# Altium PCB MAIN.PcbDoc (part 1 of 2)
Units mm, origin at the board's own origin, x right, y up, seen from the top; angles counter-clockwise.
Board outline 105.03 x 110.62 mm, 2 copper layers (Top Layer, Bottom Layer); 134 components, 144 nets, 618 pads, 962 vias.
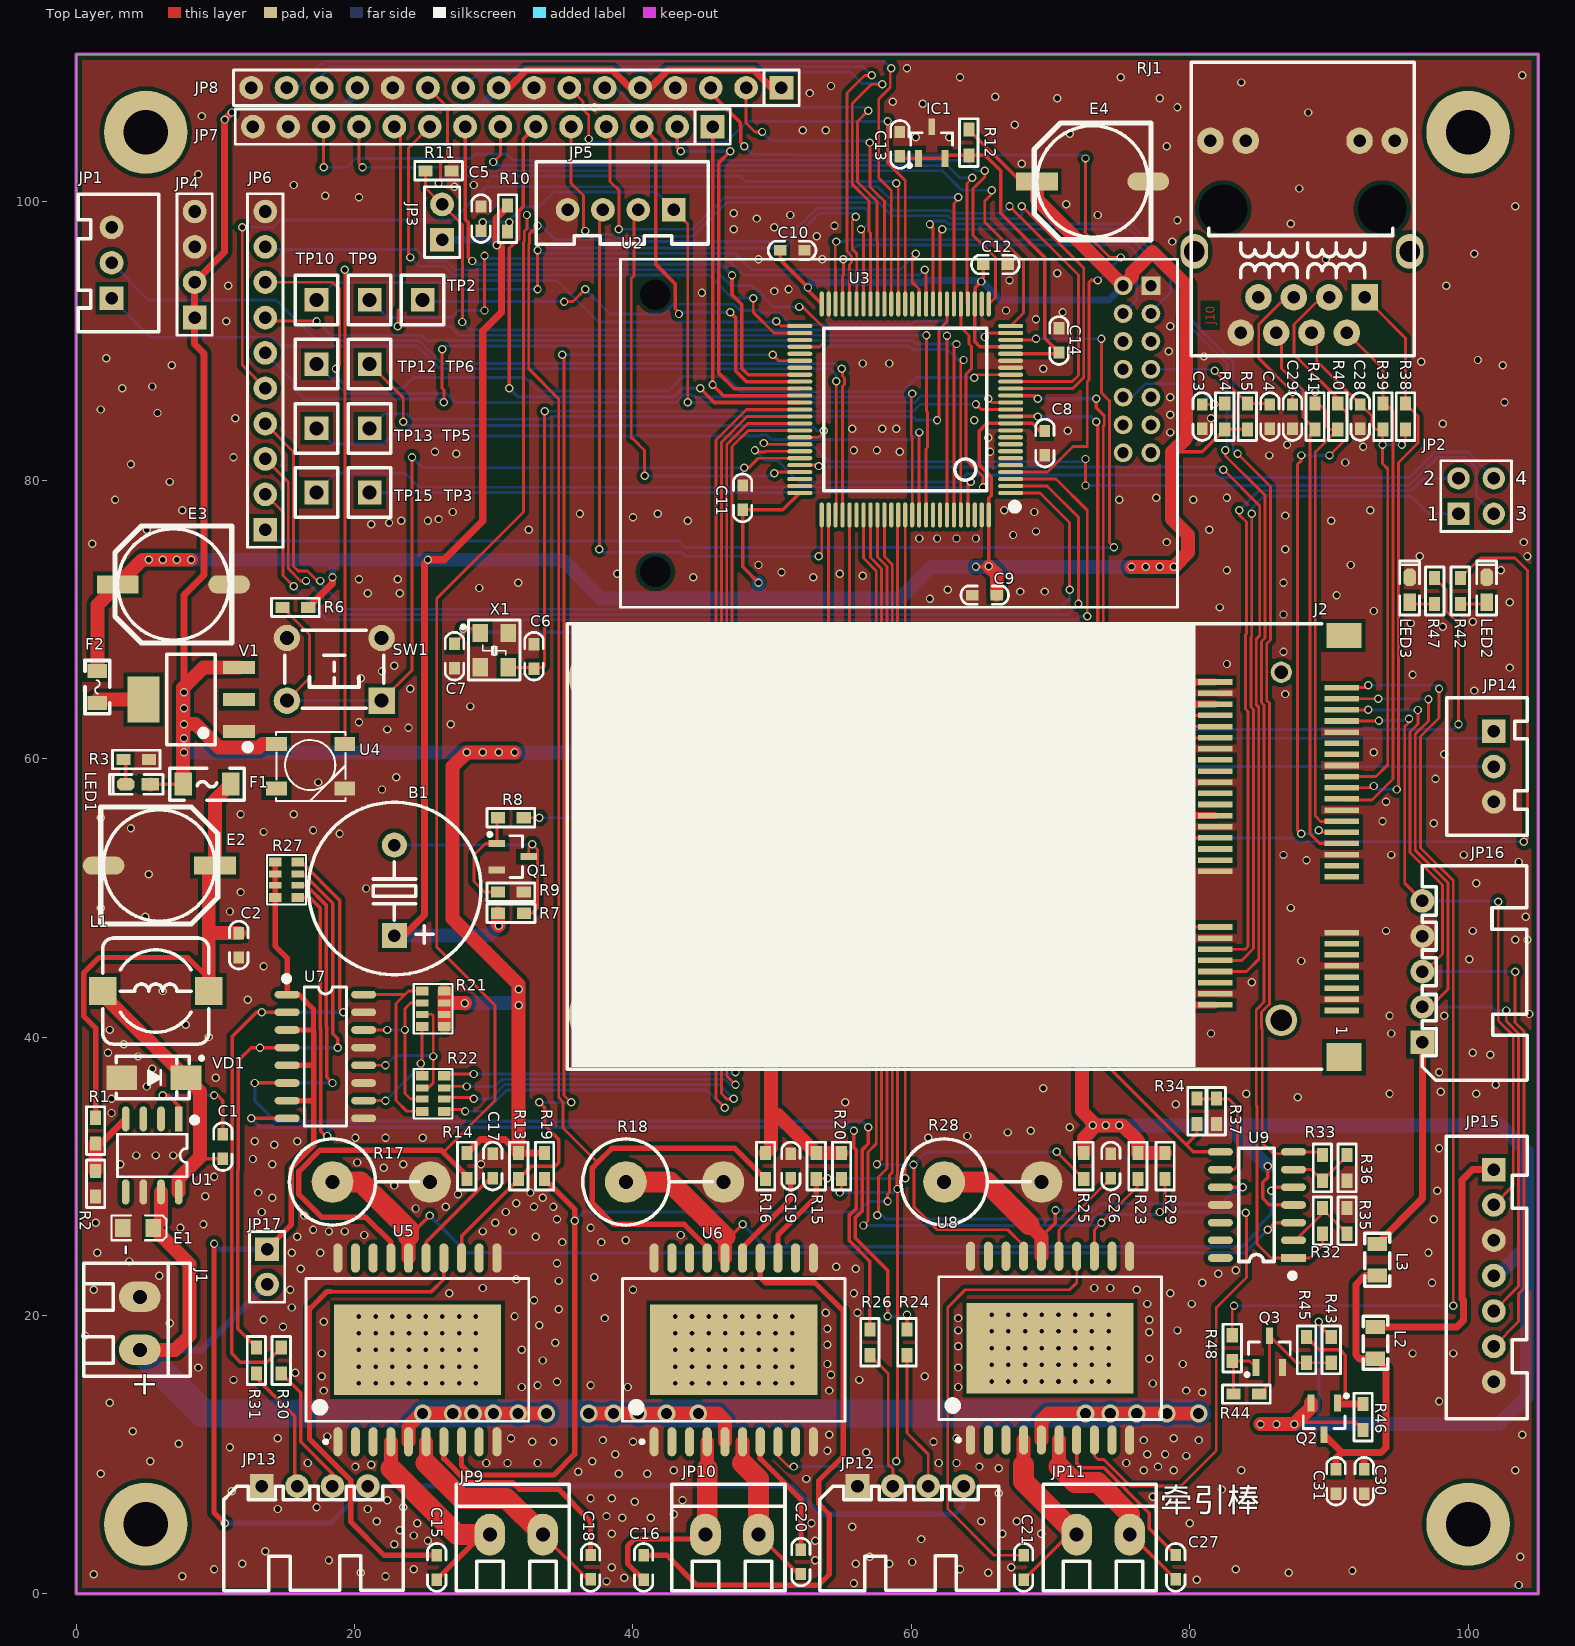
[diagram p0: Top Layer view]
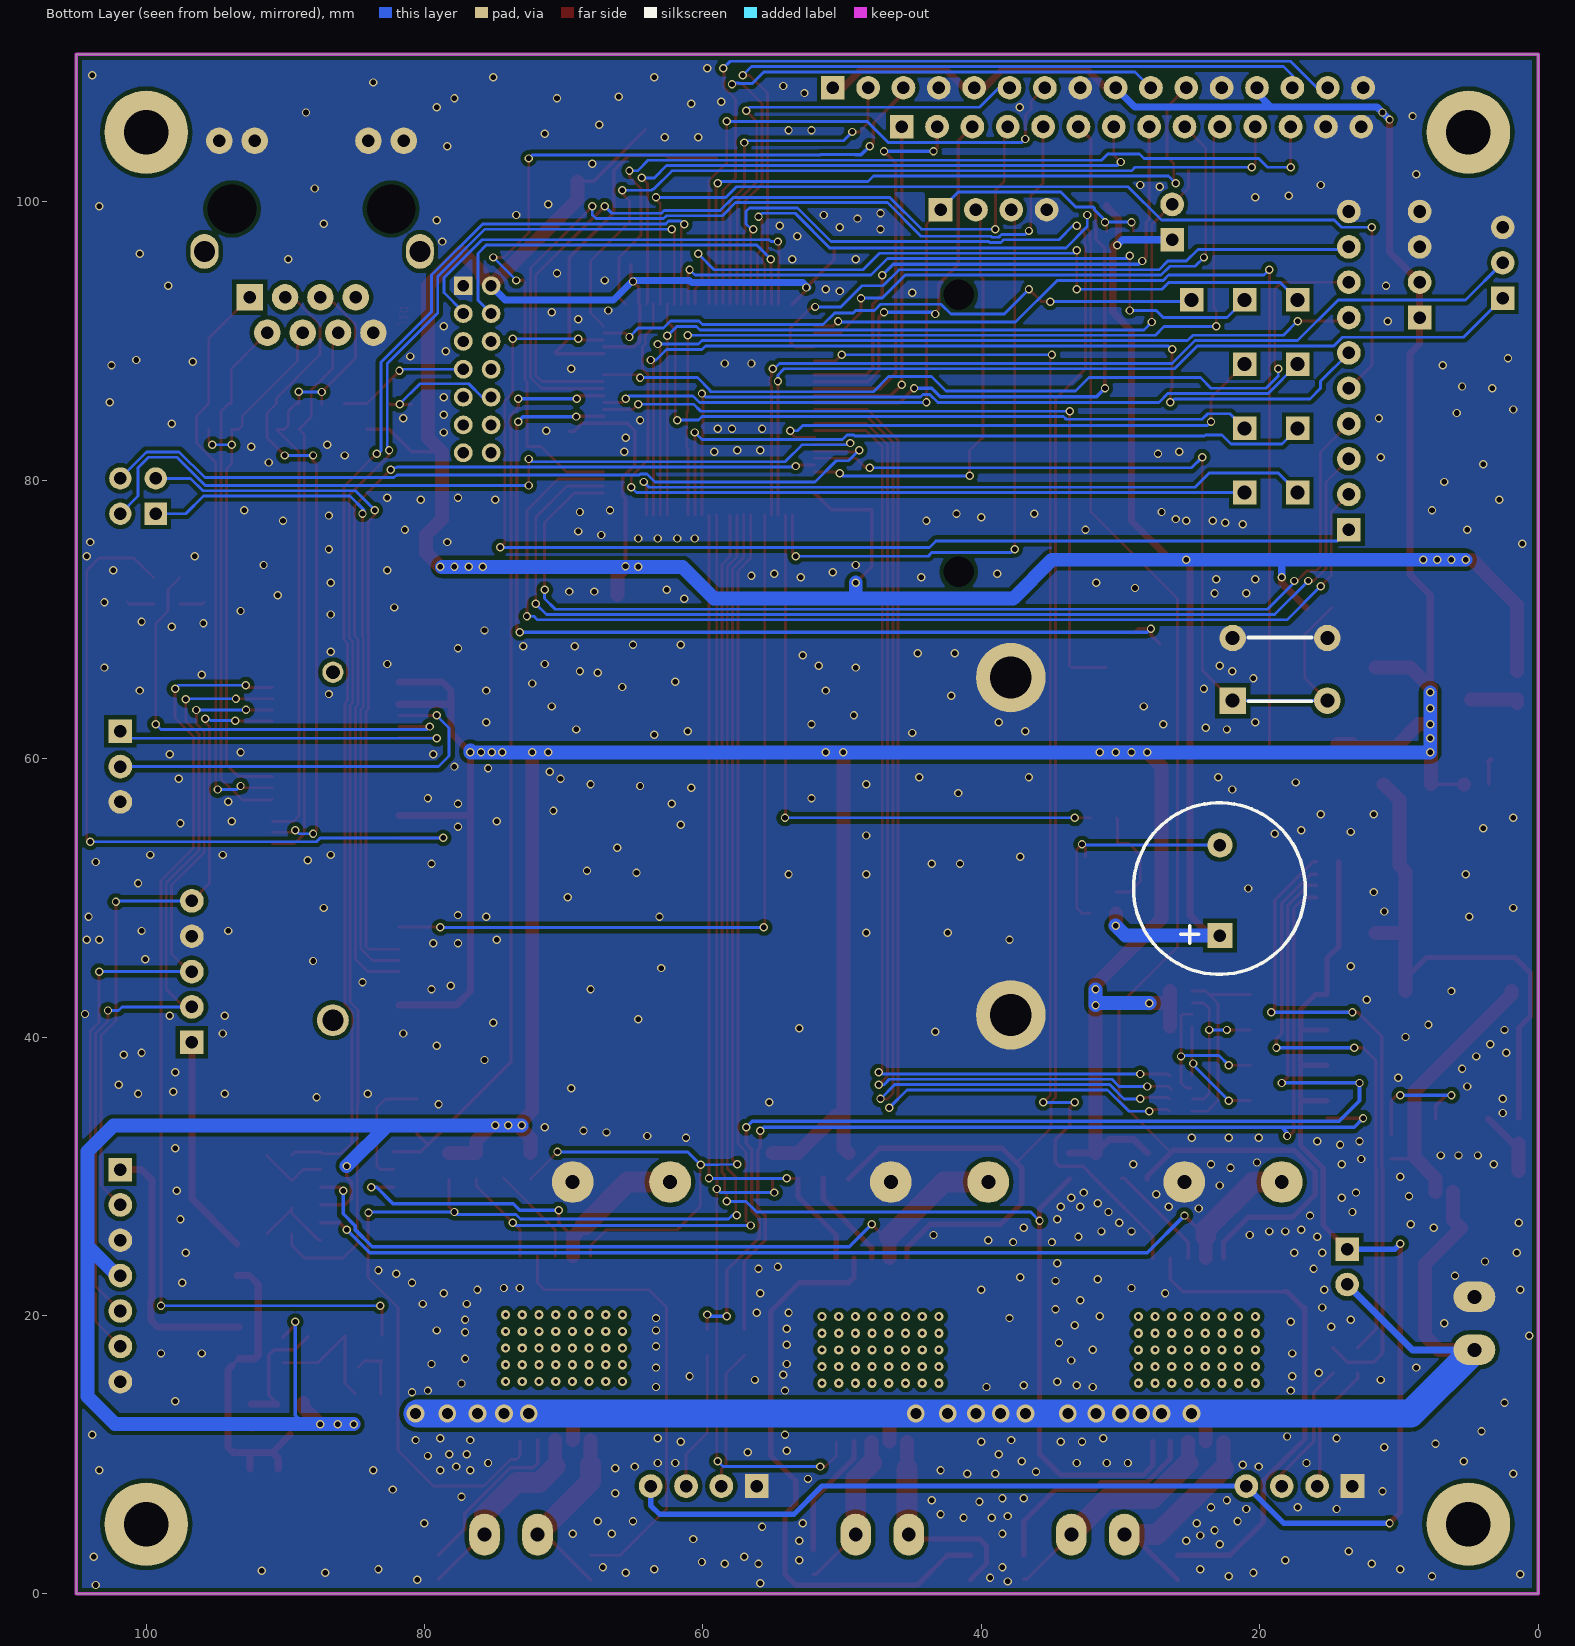
[diagram p1: Bottom Layer view, seen from below]

## Layer stack, top to bottom
Top Layer: signal copper 0.0356
Dielectric: dielectric 0.32, FR-4, Dk 4.8
Bottom Layer: signal copper 0.0356

## Board outline
0,110.617 0,0 105.029,0 105.029,110.617 0,110.617

## Design rules (kind name [scope] priority, off if disabled: settings)
Clearance Clearance_1 [inpoly] p1: gap=0.3
Clearance [All] p2: gap=0.178
PlaneConnect [All] p1: planeconnectstyle=Direct reliefexpansion=0.508 reliefentries=4 reliefconductorwidth=0.254 reliefairgap=0.254
PolygonConnect [All] p1: connectstyle=Direct reliefconductorwidth=0.254 reliefentries=4 polygonreliefangle="90 Angle"
RoutingVias [All] p1: holewidth=0.4 width=0.015 viastyle="Through Hole" minholewidth=0.4 minwidth=0.5 maxholewidth=5 maxwidth=6
SilkscreenOverComponentPads [All] p1: minsilkscreentomaskgap=0.254
SolderMaskExpansion [All] p1: expansion=0.102
Width [All] p1: maxlimit=10 minlimit=0.203 preferedwidth=0.254 minimp=50.000000 maximp=50.000000 favimp=50.000000
26 further rules are at their usual default settings.

## Classes and differential pairs
component class SLAPCIE: C28 C29 C30 C31 J2 JP14 JP15 JP16 L2 L3 LED2 LED3 Q2 Q3 R38 R39 R40 R41 R42 R43 R44 R45 R46 R47 R48 RJ1
component class POW: C1 C2 E1 E2 E3 F1 F2 J1 L1 LED1 R1 R2 R3 U1 V1 VD1
component class MOTO: C15 C16 C17 C18 C19 C20 C21 C26 C27 JP6 JP7 JP8 JP9 JP10 JP11 JP12 JP13 JP17 R13 R14 R15 R16 R17 R18 R19 R20 R21 R22 R23 R24 R25 R26 R27 R28 R29 R30 R31 R32 R33 R34 R35 R36 R37 U5 U6 U7 U8 U9
component class main: B1 C3 C4 C5 C6 C7 C8 C9 C10 C11 C12 C13 C14 E4 IC1 JP1 JP2 JP3 JP4 JP5 Q1 R4 R5 R6 R7 R8 R9 R10 R11 R12 SW1 TP2 TP3 TP5 TP6 TP9 TP10 TP12 TP13 TP15 U2 U3 U4 X1

## Components (designator, comment, footprint, x,y, rotation, side; value= is the part's Value field where it differs from the comment)
B1 "DC5V" "BEEP 6.5x12x8.5" 22.86,50.546 r0 top
C1 "104" "C 0603" 10.541,32.131 r270 top
C2 "104" "C 0603" 11.684,46.609 r90 top
C3 "104" "C 0603" 80.899,84.581 r90 top
C4 "104" "C 0603" 85.767,84.581 r90 top
C5 "104" "C 0603" 29.083,98.806 r90 top
C6 "22PF" "C 0603" 32.893,67.364 r90 top
C7 "22PF" "C 0603" 27.178,67.364 r270 top
C8 "106" "C 0603" 69.596,82.677 r90 top
C9 "104" "C 0603" 65.278,71.755 r0 top
C10 "104" "C 0603" 51.435,96.52 r180 top
C11 "104" "C 0603" 47.879,78.74 r270 top
C12 "104" "C 0603" 66.04,95.504 r180 top
C13 "106" "C 0603" 59.182,104.14 r270 top
C14 "104" "C 0603" 70.612,90.043 r270 top
C15 "15nF" "C 0603" 25.908,1.905 r90 top
C16 "15nF" "C 0603" 40.767,1.905 r90 top
C17 "0.22uF" "C 0603" 29.928,30.734 r270 top
C18 "15nF" "C 0603" 36.957,1.905 r270 top
C19 "0.22uF" "C 0603" 51.349,30.734 r270 top
C20 "15nF" "C 0603" 52.07,2.286 r270 top
C21 "15nF" "C 0603" 68.072,1.905 r90 top
C26 "0.22uF" "C 0603" 74.336,30.734 r270 top
C27 "15nF" "C 0603" 78.994,1.905 r270 top
C28 "104" "C 0603" 92.257,84.581 r90 top
C29 "104" "C 0603" 87.389,84.581 r90 top
C30 "105" "C 0603" 92.538,8.091 r90 top
C31 "104" "C 0603" 90.51,8.091 r90 top
E1 "10uF" "CD S(2012)" 4.445,26.289 r180 top
E2 "220uf" "CM E(8*10.2)" 5.969,52.324 r0 top
E3 "220uf" "CM E(8*10.2)" 6.985,72.517 r180 top
E4 "220uf" "CM E(8*10.2)" 73.025,101.473 r180 top
F1 "2A" "FU 1206" 9.398,58.166 r180 top
F2 "1A" "FU 0805" 1.524,65.151 r90 top
IC1 "TL431" SOT23-3N 61.468,104.267 r0 top
J1 "'DG128-5.0-2P-14" kf128-3.81-2p 4.572,21.336 r270 top
J2 "SLA_MINI_PCIE" MINI_PCIE 90.932,41.91 r270 top
JP1 "HDR-1X3" XH2.54-3P 2.54,93.091 r90 top
JP2 "Header2X2" HDR-2X2 99.314,77.597 r0 top
JP3 "HDR-1X2" HDR-1X2 26.289,97.282 r90 top
JP4 "HDR-1X4" HDR-1X4 8.509,91.694 r90 top
JP5 "HDR-1X4" XH2.54-4P 42.926,99.441 r180 top
JP6 "HDR-1X10" HDR-1X10 13.589,76.454 r90 top
JP7 "HDR-1X14" HDR-1X14 45.72,105.41 r180 top
JP8 "HDR-1X16" HDR-1X16 50.673,108.204 r180 top
JP9 "HDR-1X2" KF128-3.81-2P 29.718,4.256 r0 top
JP10 "HDR-1X2" KF128-3.81-2P 45.212,4.256 r0 top
JP11 "HDR-1X2" KF128-3.81-2P 71.882,4.256 r0 top
JP12 "HDR-1X4" XH2.54-4P_H 56.134,7.745 r0 top
JP13 "HDR-1X4" XH2.54-4P_H 13.335,7.745 r0 top
JP14 "HDR-1X3" XH2.54-3P 101.854,61.976 r270 top
JP15 "HDR-1X7" XH2.54-7P 101.854,30.48 r270 top
JP16 "HDR-1X5" XH2.54-5P_H 96.714,39.624 r90 top
JP17 "HDR-1X2" HDR-1X2 13.716,24.765 r270 top
L1 "15uH" CDRH73 5.715,43.307 r0 top
L2 "10um" "L 0805" 93.345,18.034 r90 top
L3 "10um" "L 0805" 93.472,24.003 r90 top
LED1 "红色" "LED 0603R" 4.445,58.166 r180 top
LED2 "红色" "LED 0603R" 101.346,72.136 r90 top
LED3 "红色" "LED 0603R" 95.815,72.136 r90 top
Q1 "SS8050" SOT23-3N 31.369,52.959 r270 top
Q2 "SS8550" SOT23-3N 89.662,12.573 r180 top
Q3 "SS8050" SOT23-3N 85.725,17.399 r0 top
R1 "10K" "R 0603" 1.397,33.274 r90 top
R2 "3.24K" "R 0603" 1.397,29.464 r90 top
R3 "10K" "R 0603" 4.318,59.944 r180 top
R4 "1K" "R 0603" 82.523,84.582 r90 top
R5 "1K" "R 0603" 84.146,84.582 r90 top
R6 "1K" "R 0603" 15.748,70.866 r180 top
R7 "1M" "R 0603" 31.242,48.895 r180 top
R8 "1K" "R 0603" 31.23,55.753 r180 top
R9 "10K" "R 0603" 31.23,50.419 r0 top
R10 "1K" "R 0603" 30.988,98.806 r90 top
R11 "1K" "R 0603" 26.035,102.235 r0 top
R12 "1K" "R 0603" 64.135,104.267 r270 top
R13 "10K" "R 0603" 31.792,30.735 r90 top
R14 "10K" "R 0603" 28.067,30.735 r90 top
R15 "10K" "R 0603" 53.171,30.735 r90 top
R16 "10K" "R 0603" 49.53,30.735 r90 top
R17 "0R5" "RS 3W-V7" 18.415,29.591 r0 top
R18 "0R5" "RS 3W-V7" 39.497,29.591 r0 top
R19 "10K" "R 0603" 33.655,30.735 r90 top
R20 "10K" "R 0603" 54.991,30.735 r90 top
R21 "1k" RCA-8P4R-0603 25.654,42.037 r270 top
R22 "100" RCA-8P4R-0603 25.654,35.941 r90 top
R23 "10K" "R 0603" 76.285,30.735 r90 top
R24 "4.7K" "R 0603" 59.69,18.072 r90 top
R25 "10K" "R 0603" 72.39,30.735 r90 top
R26 "4.7K" "R 0603" 57.023,18.072 r90 top
R27 "1k" RCA-8P4R-0603 15.113,51.308 r270 top
R28 "0R5" "RS 3W-V7" 62.357,29.591 r0 top
R29 "10K" "R 0603" 78.232,30.735 r90 top
R30 "4.7K" "R 0603" 14.732,16.764 r90 top
R31 "4.7K" "R 0603" 12.954,16.764 r90 top
R32 "10K" "R 0603" 89.535,26.797 r270 top
R33 "10K" "R 0603" 89.535,30.607 r90 top
R34 "10K" "R 0603" 80.518,34.671 r270 top
R35 "1K" "R 0603" 91.313,26.797 r270 top
R36 "1K" "R 0603" 91.313,30.607 r90 top
R37 "1K" "R 0603" 81.915,34.671 r90 top
R38 "1K" "R 0603" 95.504,84.582 r90 top
R39 "1K" "R 0603" 93.881,84.582 r90 top
R40 "1K" "R 0603" 90.636,84.582 r90 top
R41 "1K" "R 0603" 89.014,84.582 r270 top
R42 "1K" "R 0603" 99.445,72.047 r90 top
R43 "1K" "R 0603" 90.17,17.526 r90 top
R44 "0" "R 0603" 84.074,14.351 r0 top
R45 "1K" "R 0603" 88.392,17.526 r90 top
R46 "10K" "R 0603" 92.456,12.7 r90 top
R47 "1K" "R 0603" 97.602,72.047 r90 top
R48 "1K" "R 0603" 83.058,17.653 r270 top
RJ1 "HR911105A" RJ-45A12 94.742,104.394 r90 top (schematic designator RJ？1)
SW1 "6x6x5" "TSW DIP-6*6*6" 18.542,66.421 r180 top
TP2 "TEST TP" "TEST TP1.4_BK" 24.892,92.964 r90 top
TP3 "TEST TP" "TEST TP1.4_BK" 21.082,79.121 r90 top
TP5 "TEST TP" "TEST TP1.4_BK" 21.082,83.735 r90 top
TP6 "TEST TP" "TEST TP1.4_BK" 21.082,88.35 r90 top
TP9 "TEST TP" "TEST TP1.4_BK" 21.082,92.964 r90 top
TP10 "TEST TP" "TEST TP1.4_BK" 17.272,92.964 r90 top
TP12 "TEST TP" "TEST TP1.4_BK" 17.272,88.35 r90 top
TP13 "TEST TP" "TEST TP1.4_BK" 17.272,83.735 r90 top
TP15 "TEST TP" "TEST TP1.4_BK" 17.272,79.121 r90 top
U1 "TPS5430DDA" SOP8_N 5.461,31.496 r270 top
U2 "USR-WIFI232-A/B/D" USR-WIFI232-A/B/D 77.216,93.98 r180 top
U3 "STM32F103V" "LQFP100 14X14_N" 59.563,85.09 r90 top
U4 "WS2812" WS2812 14.478,61.087 r0 top
U5 "L6201PS" SO_POWERSO20 24.511,17.526 r90 top
U6 "L6201PS" SO_POWERSO20 47.244,17.526 r90 top
U7 "TLP281-4" SOP16_n 17.907,38.608 r0 top
U8 "L6201PS" SO_POWERSO20 69.977,17.653 r90 top
U9 "LM324" SOP14_n 84.836,27.94 r180 top
V1 "AMS1117-3V3" SOT223_M 8.255,64.262 r90 top
VD1 "SS34" SMA 5.588,37.084 r0 top
X1 "26M" XTAL-3225 29.083,68.961 r0 top

## Footprints (in the part's own frame and the unit in brackets; to place one, negate y for a bottom-side part, rotate by r counter-clockwise, add the part's x,y. Pads: shape width x height; smd on the part's side, far side on the other; paste and mask are expansions set on the pad)
"BEEP 6.5x12x8.5" [mm]
  rect 1.8x1.8 hole 0.9: 1(0,-3.25)
  round 1.8 hole 0.9: 2(0,3.25)
  silkscreen extent -6.18,-6.07 6.22,6.32, body extent -6,-6 6,6, height 8.55
"C 0603" [mil]
  rect 35x30 smd: 1(-35,0) 2(34,0)
  silkscreen extent -67,-26 67,26, body extent -31,-16 31,16, height 32
"CD S(2012)" [mm]
  rect 1.1x1.3 smd: 1(-1.1,0) 2(1.1,0)
  silkscreen extent -2.03,-0.89 1.91,0.89, body extent -1,-0.6 1,0.6, height 1.2
CDRH73 [mm]
  rect 2x2 smd: 1(-3.81,0) 2(3.81,0)
  silkscreen extent -3.81,-3.81 3.81,3.81, body extent -3.65,-3.65 3.65,3.65, height 3.65
"CM E(8*10.2)" [mm]
  rect 3x1.3 smd: 1(4,0)
  oval 3x1.3 smd: 2(-4,0)
  silkscreen extent -4.2,-4.2 4.2,4.2, body extent -4.5,-4.15 4.5,4.15, height 10.2
"FU 0805" [mil]
  rect 40x55 smd: 1(-45,0) 2(45,0)
  silkscreen extent -75,-35 75,35, body extent -39,-24 39,24, height 20
"FU 1206" [mil]
  rect 50x65 smd: 1(-67.5,0) 2(67.5,0)
  silkscreen extent -105,-45 105,45, body extent -63,-32 63,32, height 34
HDR-1X2 [mm]
  rect 1.7x1.7 hole 0.9: 1(0,0)
  round 1.7 hole 0.9: 2(2.54,0)
  silkscreen extent -1.27,-1.27 3.81,1.27, body extent -1.27,-1.27 3.81,1.27, height 8.5
HDR-1X4 [mm]
  rect 1.7x1.7 hole 0.9: 1(0,0)
  round 1.7 hole 0.9: 2(2.54,0) 3(5.08,0) 4(7.62,0)
  silkscreen extent -1.27,-1.27 8.89,1.27, body extent -1.27,-1.27 8.89,1.27, height 8.5
HDR-1X10 [mm]
  rect 1.7x1.7 hole 0.9: 1(0,0)
  round 1.7 hole 0.9: 2(2.54,0) 3(5.08,0) 4(7.62,0) 5(10.16,0) 6(12.7,0) 7(15.24,0) 8(17.78,0) 9(20.32,0) 10(22.86,0)
  silkscreen extent -1.27,-1.27 24.13,1.27, body extent -1.27,-1.27 24.13,1.27, height 8.5
HDR-1X14 [mm]
  rect 1.7x1.7 hole 0.9: 1(0,0)
  round 1.7 hole 0.9: 2(2.54,0) 3(5.08,0) 4(7.62,0) 5(10.16,0) 6(12.7,0) 7(15.24,0) 8(17.78,0) 9(20.32,0) 10(22.86,0) 11(25.4,0) 12(27.94,0) 13(30.48,0) 14(33.02,0)
  silkscreen extent -1.27,-1.27 34.29,1.27, body extent -1.27,-1.27 34.29,1.27, height 8.5
HDR-1X16 [mm]
  rect 1.7x1.7 hole 0.9: 1(0,0)
  round 1.7 hole 0.9: 2(2.54,0) 3(5.08,0) 4(7.62,0) 5(10.16,0) 6(12.7,0) 7(15.24,0) 8(17.78,0) 9(20.32,0) 10(22.86,0) 11(25.4,0) 12(27.94,0) 13(30.48,0) 14(33.02,0) 15(35.56,0) 16(38.1,0)
  silkscreen extent -1.27,-1.27 39.37,1.27, body extent -1.27,-1.27 39.37,1.27, height 8.5
HDR-2X2 [mm]
  rect 1.6x1.6 hole 0.9: 1(0,0)
  round 1.6 hole 0.9: 2(0,2.54) 3(2.54,0) 4(2.54,2.54)
  silkscreen extent -1.27,-1.27 3.81,3.81, body extent -1.27,-1.27 3.81,3.81, height 8.5
kf128-3.81-2p [mm]
  oval 2.2x3 hole 1: 1(0,0) 2(3.81,0)
  silkscreen extent -2.41,-4.04 5.72,3.63, body extent -2.4,-3.9 5.72,3.5, height 8.55
KF128-3.81-2P [mm]
  oval 2.2x3 hole 1: 1(0,0) 2(3.81,0)
  silkscreen extent -2.41,-4.04 5.71,3.63, body extent -2.4,-3.9 5.72,3.5, height 8.55
"L 0805" [mil]
  rect 40x55 smd: 1(-45,0) 2(45,0)
  silkscreen extent -75,-35 75,35, body extent -39,-24 39,24, height 35
"LED 0603R" [mil]
  rect 50x35 smd: 1(-35,0.26)
  oct 50x35 smd: 2(35,0.26)
  silkscreen extent -71,-28 81,28, body extent -31,-16 32,16, height 24
"LQFP100 14X14_N" [mm]
  oval 0.3x1.8 smd: 1(-6,-7.575) 2(-5.5,-7.575) 3(-5,-7.575) 4(-4.5,-7.575) 5(-4,-7.575) 6(-3.5,-7.575) 7(-3,-7.575) 8(-2.5,-7.575) 9(-2,-7.575) 10(-1.5,-7.575) 11(-1,-7.575) 12(-0.5,-7.575) 13(0,-7.575) 14(0.5,-7.575) 15(1,-7.575) 16(1.5,-7.575) 17(2,-7.575) 18(2.5,-7.575) 19(3,-7.575) 20(3.5,-7.575) 21(4,-7.575) 22(4.5,-7.575) 23(5,-7.575) 24(5.5,-7.575) 25(6,-7.575) 51(6,7.575) 52(5.5,7.575) 53(5,7.575) 54(4.5,7.575) 55(4,7.575) 56(3.5,7.575) 57(3,7.575) 58(2.5,7.575) 59(2,7.575) 60(1.5,7.575) 61(1,7.575) 62(0.5,7.575) 63(0,7.575) 64(-0.5,7.575) 65(-1,7.575) 66(-1.5,7.575) 67(-2,7.575) 68(-2.5,7.575) 69(-3,7.575) 70(-3.5,7.575) 71(-4,7.575) 72(-4.5,7.575) 73(-5,7.575) 74(-5.5,7.575) 75(-6,7.575)
  oval 1.8x0.3 smd: 26(7.576,-6) 27(7.576,-5.5) 28(7.576,-5) 29(7.576,-4.5) 30(7.576,-4) 31(7.576,-3.5) 32(7.576,-3) 33(7.576,-2.5) 34(7.576,-2) 35(7.576,-1.5) 36(7.576,-1) 37(7.576,-0.5) 38(7.576,0) 39(7.576,0.5) 40(7.576,1) 41(7.576,1.5) 42(7.576,2) 43(7.576,2.5) 44(7.576,3) 45(7.576,3.5) 46(7.576,4) 47(7.576,4.5) 48(7.576,5) 49(7.576,5.5) 50(7.576,6) 76(-7.575,6) 77(-7.575,5.5) 78(-7.575,5) 79(-7.575,4.5) 80(-7.575,4) 81(-7.575,3.5) 82(-7.575,3) 83(-7.575,2.5) 84(-7.575,2) 85(-7.575,1.5) 86(-7.575,1) 87(-7.575,0.5) 88(-7.575,0) 89(-7.575,-0.5) 90(-7.575,-1) 91(-7.575,-1.5) 92(-7.575,-2) 93(-7.575,-2.5) 94(-7.575,-3) 95(-7.575,-3.5) 96(-7.575,-4) 97(-7.575,-4.5) 98(-7.575,-5) 99(-7.575,-5.5) 100(-7.575,-6)
  silkscreen extent -7.23,-8.12 5.84,5.84, body extent -8,-8 8,8, height 1.45
MINI_PCIE [mm]
  round 1.524 hole 0.991: 0(-24.3,-4.35)
  round 2.286 hole 1.524: 0(0.7,-4.35)
  rect 0.4x2.5 smd: 1(0,0) 2(-0.4,-9.1) 3(-0.8,0) 4(-1.2,-9.1) 5(-1.6,0) 6(-2,-9.1) 7(-2.4,0) 8(-2.8,-9.1) 9(-3.2,0) 10(-3.6,-9.1) 11(-4,0) 12(-4.4,-9.1) 13(-4.8,0) 14(-5.2,-9.1) 15(-5.6,0) 16(-6,-9.1) 17(-9.6,0) 18(-10,-9.1) 19(-10.4,0) 20(-10.8,-9.1) 21(-11.2,0) 22(-11.6,-9.1) 23(-12,0) 24(-12.4,-9.1) 25(-12.8,0) 26(-13.2,-9.1) 27(-13.6,0) 28(-14,-9.1) 29(-14.4,0) 30(-14.8,-9.1) 31(-15.2,0) 32(-15.6,-9.1) 33(-16,0) 34(-16.4,-9.1) 35(-16.8,0) 36(-17.2,-9.1) 37(-17.6,0) 38(-18,-9.1) 39(-18.4,0) 40(-18.8,-9.1) 41(-19.2,0) 42(-19.6,-9.1) 43(-20,0) 44(-20.4,-9.1) 45(-20.8,0) 46(-21.2,-9.1) 47(-21.6,0) 48(-22,-9.1) 49(-22.4,0) 50(-22.8,-9.1) 51(-23.2,0) 52(-23.6,-9.1)
  round 5 hole 3: 53(-23.92,-53.05) 54(0.316,-53.05)
  rect 1.8x2.5 smd: 55(-26.95,0.15)
  rect 2x2.5 smd: 56(3.35,0.15)
  silkscreen extent -27.77,-55.66 4.24,-1.44, body extent -27.88,-10.8 4.28,1.77, height 1.7
"R 0603" [mil]
  rect 40x31.5 smd: 1(-36.5,0) 2(36.5,0)
  silkscreen extent -68,-26 68,26, body extent -31,-16 32,16, height 16
RCA-8P4R-0603 [mm]
  rect 0.65x0.9 smd: 1(-1.28,-0.8) 4(1.28,-0.8) 5(1.28,0.8) 8(-1.28,0.8)
  rect 0.5x0.9 smd: 2(-0.4,-0.8) 3(0.4,-0.8) 6(0.4,0.8) 7(-0.4,0.8)
  silkscreen extent -1.78,-1.4 1.78,1.4, body extent -1.6,-0.8 1.6,0.8, height 0.6
RJ-45A12 [mil]
  oval 98.43x78.74 hole 59.06: 0(-312.99,567.32) 0(-312.99,-42.13)
  round 130 hole 137.8: 0(-192.91,485.83) 0(-192.91,35.83)
  rect 75x75 hole 35.43: 1(-442.91,85.83)
  round 75 hole 35.43: 2(-542.91,135.83) 3(-442.91,185.83) 4(-542.91,235.83) 5(-442.91,285.83) 6(-542.91,335.83) 7(-442.91,385.83) 8(-542.91,435.83) 9(0,0) 10(0,100) 11(0,421.65) 12(0,521.65)
  silkscreen extent -608,-54 222,576, body extent -605,-53 237,572, height 59
"RS 3W-V7" [mm]
  round 3 hole 1: 1(0,0) 2(7,0)
  silkscreen extent -3.1,-3.1 6.2,3.1, body extent -3.01,-3.01 7.4,3.01, height 19.9